# Altium PCB Display_PCB.PcbDoc (part 2 of 3)
Units mil, origin at the board's own origin, x right, y up, seen from the top; angles counter-clockwise.
Board outline 5600 x 4000 mil, 4 copper layers (Top Layer, Plane(Gnd), Plane(PWR), Bottom Layer), stack 23.756 mil thick; 312 components, 321 nets, 831 pads, 288 vias.
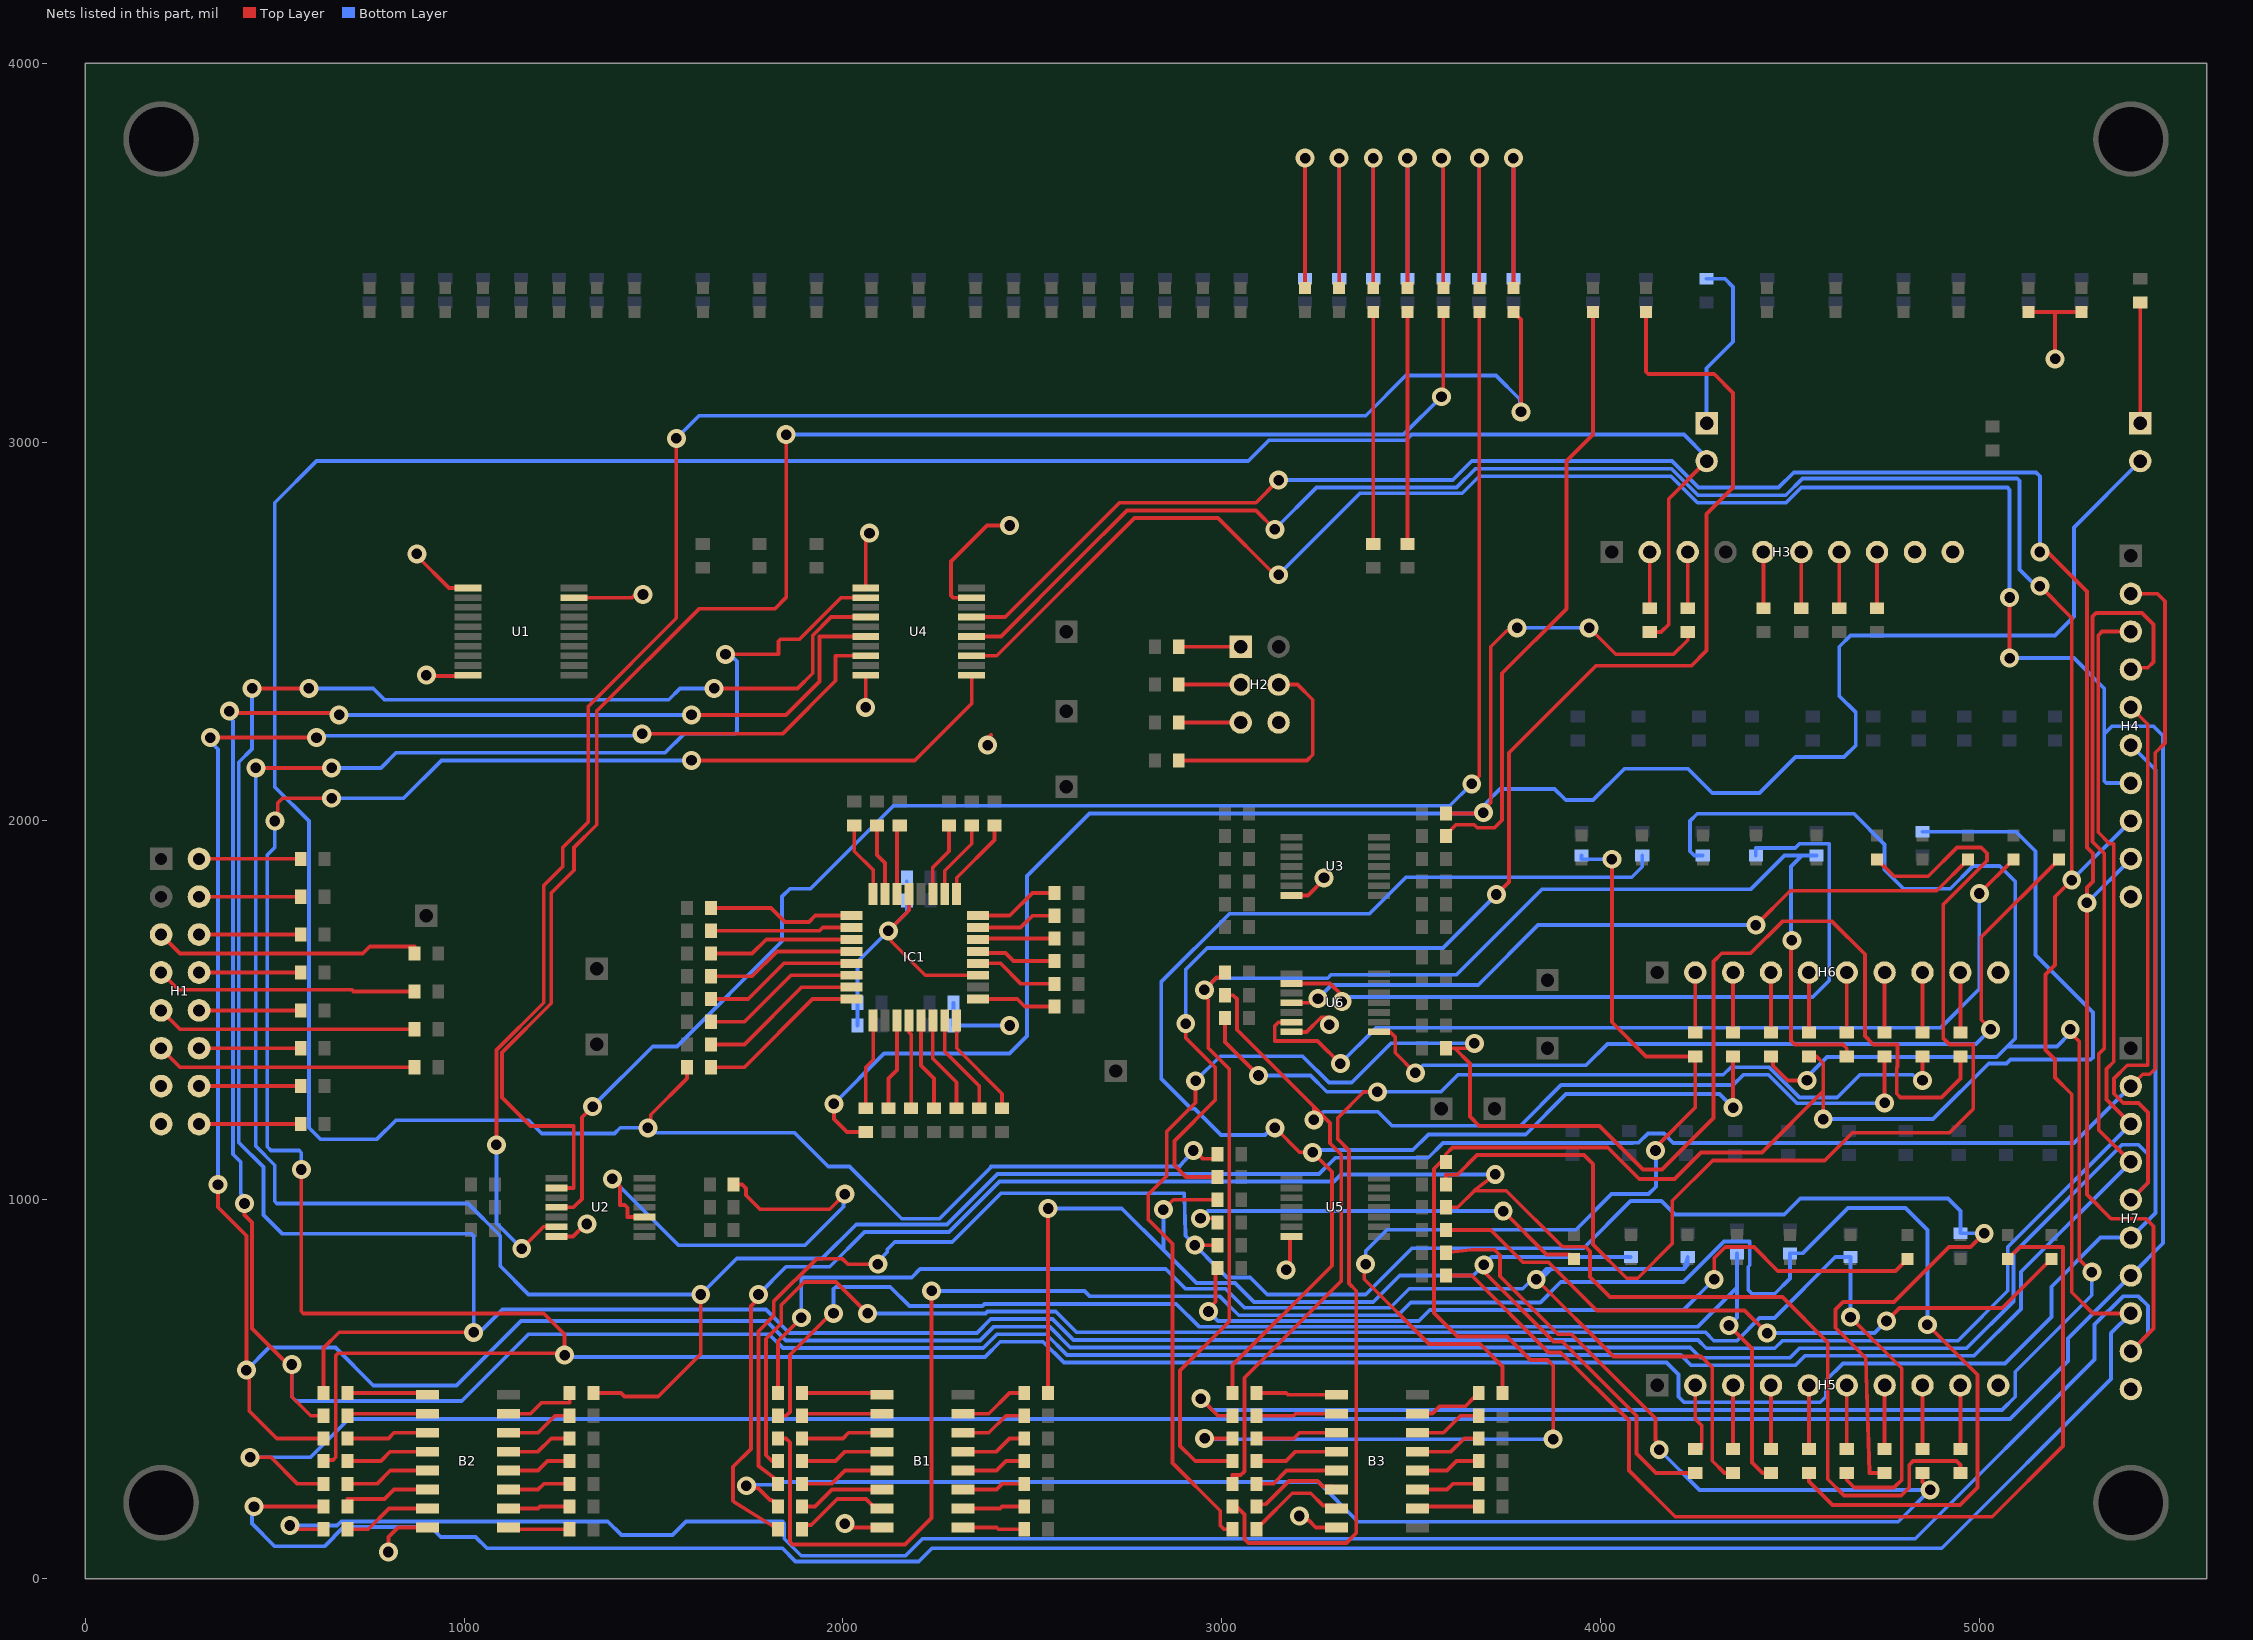
[diagram p4: the nets of this part, all layers, seen from the top]

## Via types
v1: diameter 50, hole 28, Top Layer to Bottom Layer, 288 vias

## Nets (pads, with @x,y where several pads share a name; then routed paths per layer and width w, separated by ;. In a path a pad name is that pad's centre, name@x,y a point inside that pad or via, vN(x,y) a via of type N, cw(c..) or ccw(c..) an arc to the next point about the centre after c; other vN are vias at no path point) (continued)
GND: B1.8 B2.8 B3.8 C1.2 C2.2 C3.2 C4.2 C5.2 C6.2 H1.13 H1.15 H2.6 H3.9 H3.10 H4.10 H5.10 H6.10 H7.10 IC1.19 IC1.29 LED27.1 LED28.1 U1.1 U1.10 U1.19 U2.7 U3.7 U4.1 U4.10 U4.19 U5.7 U6.7 | length 3227
  Top Layer w10: v1(800,70) 800,110 825,135 B2.8@903.23,135 ; v1(875,2705) 875,2700.16 960,2615.16 U1.1@1010.24,2615.16 ; v1(900,2385) 902.58,2382.42 1007.82,2382.42 U1.10@1010.24,2384.84 ; U2.7@1244.33,903.23 1286.91,903.23 1319.68,936 v1(1324.08,936) ; U1.19@1289.76,2589.57 1443.57,2589.57 1452,2598 v1(1472,2598) ; v1(2005,145) 2015.82,145 2025.82,135 B1.8@2103.23,135 ; v1(2060,2300) 2060,2384.61 U4.10@2060.24,2384.84 ; U4.1@2060.24,2615.16 2060.24,2750.24 v1(2070,2760) ; IC1.29@2174.25,1806.85 2174.25,1764.25 v1(2120,1710) 2127.65,1702.35 2127.65,1682.35 2217.24,1592.76 IC1.19@2356.85,1592.76 ; U4.19@2339.76,2589.57 2290.86,2589.57 2285,2595.42 2285,2685 2380,2780 v1(2440,2780) ; v1(2382,2200) 2389.65,2207.65 2389.65,2225.65 2391,2227 ; v1(3170,815) 3170,825.82 3180.37,836.2 3180.37,899.37 3184.23,903.23 U5.7@3184.33,903.23 ; U6.7@3184.33,1443.23 3223.91,1443.23 3262.68,1482 3284.08,1482 3304.08,1462 v1(3284.08,1462) ; U3.7@3184.33,1803.23 3227.31,1803.23 3270,1845.92 v1(3270,1850) ; v1(3205,165) 3215.82,165 3227.43,153.39 3229.96,153.39 3248.36,135 B3.8@3303.23,135 ; LED28.1@5130,3343.5 5200,3343.5 ; v1(5200,3220) 5200,3343.5 ; LED27.1@5270,3343.5 5200,3343.5
  Bottom Layer w10: C3.2@2038.5,1460 C4.2@2038.5,1520 2038.5,1628.5 v1(2120,1710) 2168.5,1758.5 C6.2@2168.5,1790 C5.2@2168.5,1840 ; C2.2@2291.5,1520 C1.2@2291.5,1460 v1(2440,1460)
I2C_LED_SDA: LED9.1 R203.2 | length 3763.8
  Top Layer w10: v1(2905,1465) 2905,1427 2983,1349 2983,1263 2875,1155 2875,1091 2906,1060 R203.2@2988.5,1060 ; v1(3725,1806) 3758,1839 3758,2180.06 3987.94,2410 4240,2410 4280,2450 4280,2810 4350,2880 4350,3130 4300,3180 4125.86,3180 4120,3185.86 LED9.1@4120,3343.5
  Bottom Layer w10: v1(2905,1465) 2905,1608.14 2961.86,1665 3584,1665 v1(3725,1806)
I2C_LED_SDC: LED8.1 R191.2 | length 1615.1
  Top Layer w10: R191.2@3591.5,1960 3591.5,1962.95 3618.54,1990 3666.57,1990 3674.53,1982.04 3720.03,1982.04 3740,2002 3740,2390 3910,2560 3910,2950 3980,3020 LED8.1@3980,3343.5
I2C_SDA: J2.2 R40.1 R46.1 R202.1 | length 8968.5
  Top Layer w10: v1(1484.71,1190) 1492.36,1197.65 1492.36,1224.36 1588.5,1320.5 R40.1@1588.5,1350 ; v1(2925,1130) 2928.86,1130 2950.86,1108 2977.76,1108 2988.5,1118.75 R202.1@2988.5,1120 ; R46.1@4130,2498.5 4160,2498.5 4180,2518.5 4180,2850 J2.2@4280,2950
  Bottom Layer w10: v1(1484.71,1190) v1@1484.71,1177 ; v1(2925,1130) 2891.53,1091.19 2891.27,1090.93 2888.34,1088 2390,1088 2390,1085 2255,950 2155,950 2017,1088 1961.27,1088 1872.27,1177 v1@1484.71,1177 ; J2.2@4280,2950 4280,2960 4220,3020 3501.21,3020 3486.21,3005 3125,3005 3070,2950 610,2950 500,2840 500,2090 590,2000 590,1190 620,1160 770,1160 820,1210 1170,1210 1205,1175 1397.14,1175 1412.14,1190 1471.71,1190 v1@1484.71,1177
I2C_SDC: J1.2 R42.1 R47.1 R190.1 | length 6144
  Top Layer w10: v1(1976,1253.27) 1976,1213.27 2010.77,1178.5 R42.1@2060,1178.5 ; R190.1@3591.5,2020 3688.49,2020 v1(3690.52,2022.04) 3690.52,2028.41 3710,2047.89 3710,2460 3752.35,2502.35 3772.35,2502.35 v1(3780,2510) ; v1@3689,2020 v1@3702,2020 ; v1(3970,2510) 4040,2440 4193,2440 4230,2477 R47.1@4230,2498.5
  Bottom Layer w10: v1(1976,1253.27) 2108.73,1386 2440,1386 2486,1432 2486,1854.98 2651.02,2020 3688.49,2020 3698.18,2029.69 3698.18,2048.18 3734.67,2084.67 3878.4,2084.67 3908.07,2055 3980,2055 4063,2138 4231,2138 4295,2074 4420,2074 4515,2169 4643,2169 4674,2200 4674,2286 4630,2330 4630,2460 4660,2490 5200,2490 5250,2540 5250,2775 J1.2@5425,2950 ; v1(3780,2510) v1(3970,2510)
Invert_Read: R165.1 U2.10 | length 1277
  Top Layer w10: v1(1391,1055) 1411,1035 1411,986 1424,986 1431,979 1431,954.41 U2.10@1475.67,954.41 ; R165.1@1711.5,1040 1734,1040 1744,1030 1744,1012 1781,975 1965,975 v1(2005,1015)
  Bottom Layer w10: v1(1391,1055) 1566,880 1900,880 2001.72,981.72 2001.72,1011.72 v1(2005,1015)
LCD1_CnD: R52.1 R53.2 R174.1 R204.1 | length 3291.9
  Top Layer w10: R53.2@2541.5,490 v1(2541.5,977) ; v1(2846,974) 2872,1000 R204.1@2988.5,1000 ; v1(3692,828) 3692,810 3877.12,624.88 3900.12,624.88 4095,430 4095,330 4146.5,278.5 R52.1@4250,278.5
  Bottom Layer w10: v1(2541.5,977) 2736,977 2846,867 ; v1(2846,974) 2846,867 ; R174.1@4080,848.5 3712.5,848.5 v1(3692,828) 3664,800 3470,800 3400,730 3085,730 3035,780 2933,780 2846,867
LCD1_Cntrl_Extra: LED38.1 R211.2 | length 1792.2
  Top Layer w10: R211.2@3591.5,920 3710,920 3795,835 3863,835 3990,708 4380,708 v1(4440,648) ; v1(4755,680) 4789,714 5060.5,714 LED38.1@5190,843.5
  Bottom Layer w10: v1(4440,648) 4723,648 v1(4755,680)
LCD1_Cntrl_FS: LED37.1 R209.2 | length 2732.2
  Top Layer w10: R209.2@3591.5,800 3660,800 3863,597 3895,597 4075,417 4075,285 4197,163 5034,163 5221,350 5221,875 5106.5,875 LED37.1@5075,843.5
LCD1_Extra: R77.1 R79.2 R210.1 | length 4919
  Top Layer w10: v1(1777,750) 1777,739.18 1757,719.18 1757,342 1710,295 1710,205.38 1713.74,201.64 1816.88,137.26 1817.76,137.26 R79.2@1828.5,130 ; R210.1@3591.5,980 3623,980 3667,1024 ; v1(3722,1067) 3667,1024 ; R77.1@4950,278.5 4950,300 4940,310 4825,310 4815,300 4815,240 4794,219 4643,219 4600,262 4600,623.04 4480,743.04 4024.96,743.04 3972,796 3972,863.75 3960,875.75 3899.25,875.75 3751,1024 3667,1024
  Bottom Layer w10: v1(1777,750) 1850,823 1965,823 2057,915 2280,915 2413,1048 3296,1048 3315,1067 v1(3722,1067)
LCD1_FS: R74.1 R76.2 R208.1 | length 4985.1
  Top Layer w10: v1(1745,245) 1751.28,238.72 1775.28,238.72 1807,207 1811.5,207 1814.8,203.7 1817.76,203.7 1828.5,192.95 R76.2@1828.5,190 ; R208.1@3591.5,860 3660,868 3720,868 3734.35,853.65 3734.35,798.18 3887.65,644.88 3923.12,644.88 4145,423 4145,365.86 4147.35,363.51 4147.35,347.65 v1(4155,340) ; R74.1@4850,278.5 4850,254 v1(4870,234)
  Bottom Layer w10: v1(1745,245) 1747.65,247.65 1814.65,247.65 1822,255 3255,255 3360,150 4786,150 v1(4870,234) 4261,234 v1(4155,340)
LCD1_Instruction: LED29.1 R205.2 | length 1101.8
  Top Layer w10: v1(2944,951) 2988.5,951 R205.2@2988.5,940 ; v1(3743.12,970) 3857.37,855.75 3917.76,855.75 LED29.1@3930,843.5
  Bottom Layer w10: v1(2944,951) 2963,970 v1(3743.12,970)
LCD1_Mid: R70.1 R73.2 R187.1 R206.1 | length 5277.6
  Top Layer w10: R73.2@1828.5,250 1828.5,257 1777,297 1777,653 1817,693 1817,731 1930,844 1998.59,844 2012.59,830 v1(2092,830) ; v1(2929,880) R206.1@2988.5,880 ; R70.1@4750,278.5 4710,278.5 4700,582 4620,662 4620,710 4640,730 4775,730 4920,875 4976.5,875 v1(5013,911.5)
  Bottom Layer w10: v1(2092,830) 2092,836.93 2116.82,861.75 2116.82,868.82 2136.5,888.5 2288.5,888.5 2417,1017 2901,1017 2904,905 3014,795 3075,795 3120,750 3380,750 3502,872 3954.76,872 4079.5,996.75 4160.5,996.75 4196.24,961 4485,961 4527,1003 4917,1003 4950,970 R187.1@4950,911.5 v1(5013,911.5)
LCD1_Mid_Left: LED35.1 R207.2 | length 2132.8
  Top Layer w10: v1(2965,705) 2965,712.35 2983.5,730.86 2983.5,815 R207.2@2988.5,820 ; v1(4300,790) 4300,846 4329,875 4405,875 4468,812 4778.5,812 LED35.1@4810,843.5
  Bottom Layer w10: v1(2965,705) 2990,680 3520,680 3549.07,709.07 4219.07,709.07 v1(4300,790)
LCD1_nCE: R66.1 R69.2 R182.1 | length 4283.9
  Top Layer w10: R69.2@1828.5,310 1812.67,310 1797,325.67 1797,633 1837,673 1837,722 1898,783 1982,783 v1(2065,700) ; R66.1@4650,278.5 4650,260 4670,240 4775,240 4795,260 4795,555 v1(4660,690)
  Bottom Layer w10: v1(2065,700) 2065.63,699.37 2376.23,699.37 2381.86,705 2561.58,705 2616.58,650 4277,650 4299,628 4360,628 4420,688 4459,688 4619.5,848.5 R182.1@4660,848.5 v1(4660,690)
LCD1_nRD: R54.1 R57.2 R175.1 | length 3748.2
  Top Layer w10: R57.2@1828.5,490 1828.5,626.5 1890,688 v1(1890,688.53) ; v1(3830.33,790) 4034.33,586 4266,586 4295,557 4295,311 4327.5,278.5 R54.1@4350,278.5
  Bottom Layer w10: v1(1890,688.53) 1890,789.14 1895.86,795 2181.78,795 2203.78,817 2852.33,817 2904.33,765 3010,765 3060,715 3445,715 3495,765 3794.51,765 3819.51,790 v1(3830.33,790) 3857.33,817 3869.74,817 ; v1@3832.11,779.37 3869.74,817 ; 3869.74,817 4220,817 ; 4220,817 4230,827 R175.1@4230,848.5 4220,817
LCD1_nWR: R58.1 R61.2 R176.1 | length 3536.2
  Top Layer w10: R61.2@1828.5,430 1850,430 1860,440 1860,591 1969,700 v1(1975,700) ; v1(4339,668) 4400,607 4400,306 4427.5,278.5 R58.1@4450,278.5
  Bottom Layer w10: v1@1975,700.8 1975,764.14 1980.86,770 2125,770 2175.63,719.37 2367.95,719.37 2373.58,725 2880,725 2940,665 4257,665 4360,768 ; v1(4339,668) 4360,689 4360,768 ; R176.1@4360,858.5 4360,768
LCD1_Reset: R62.1 R65.2 R179.1 | length 5581.2
  Top Layer w10: R65.2@1828.5,370 1850,370 1860,360 1860,97 1867,90 2164,90 2234,160 v1(2234,759.37) ; R62.1@4550,278.5 4550,256 4612,194 4949,194 4995,240 4995,538 v1(4863,670)
  Bottom Layer w10: v1(2234,759.37) 2637.41,759.37 2651.78,745 2995,745 3045,695 3465,695 3499.07,729.07 3841.07,729.07 3895,783 4219,783 4326,890 4393.7,890 4393.7,827 4390,823.3 4390,762 4400,752 4460,752 4500,792 R179.1@4500,858.5 4533.5,858.5 4653,978 4805,978 4863,920 v1(4863,670)
LCD2_DnI: R92.1 R111.2 R218.1 R219.1 | length 3965.7
  Top Layer w10: v1(2954,1554) v1@2964.57,1564.57 ; R219.1@3008.5,1600 3008.5,1597.17 2997.76,1586.42 2986.42,1586.42 2961.65,1561.65 2961.65,1531.05 2964.57,1528.14 2964.57,1400.43 3020,1345 3020,679 2890,549 2890,350 2930,310 R111.2@3028.5,310 ; v1(4505,1685) 4503,1683 4503,1420 4513,1410 4640,1410 4650,1400 R92.1@4650,1378.5
  Bottom Layer w10: v1(2954,1554) 2985,1585 3279.72,1585 3288.72,1594 3620,1594 3846,1820 4397.5,1820 4486,1908.5 4531.5,1908.5 ; v1(4505,1685) 4503,1687 4503,1880 4531.5,1908.5 ; R218.1@4570,1908.5 4531.5,1908.5
LCD2_DnI_Instruction: R217.1 U6.2 | length 2052.8
  Top Layer w10: U6.2@3184.33,1571.18 3286,1571.18 3317.18,1540 v1(3317.18,1523)
  Bottom Layer w10: v1(3317.18,1523) 3329.18,1535 4560,1535 4604,1579 4604,1940 4525,1940 4514,1929 4410,1929 R217.1@4410,1908.5
LCD2_Enable: R95.1 R113.2 R220.1 | length 3337.2
  Top Layer w10: R220.1@3008.5,1540 3030,1540 3040,1530 3040,1448.85 3243,1245.85 ; R113.2@3028.5,250 3028.5,273 3050,273 3060,283 3060,530 3315.67,785.67 3315.67,1119.33 3286,1149 3286,1202.85 3243,1245.85 ; v1(3243,1211) 3243,1245.85 ; v1(4750,1256) R95.1@4750,1378.5
  Bottom Layer w10: v1(3243,1211) 3247.36,1211 3268.86,1232.5 3412.5,1232.5 3449.53,1195.47 3788.47,1195.47 3896,1303 4350,1303 4377,1330 4443.79,1330 4518.79,1255 4749,1255 v1(4750,1256)
LCD2_Enable_LEDG: LED54.1 U6.4 | length 1942.5
  Top Layer w10: U6.4@3184.33,1520 3243,1520 v1(3254,1531) ; v1(4410,1725) 4501,1816 4887.5,1816 LED54.1@4970,1898.5
  Bottom Layer w10: v1(3254,1531) 3290,1567 3677,1567 3835,1725 v1(4410,1725)
LCD2_Extra_1: R98.1 R114.2 R222.1 | length 3779.1
  Top Layer w10: R222.1@3008.5,1480 3008.5,1416.5 v1(3097,1328) ; R114.2@3028.5,190 3039,190 3060,169 3060,104 3070,94 3329,94 3355,120 3355,760 3335.67,779.33 3335.67,1130.33 3306,1160 3306,1216 3375,1285 v1(3411,1285) ; v1(4850,1315) R98.1@4850,1378.5
  Bottom Layer w10: v1(3097,1328) 3234.37,1328 3277.37,1285 v1(3411,1285) 3579,1285 3624,1330 4324,1330 4344,1350 4445,1350 4525,1270 4625,1270 4685,1330 4824.18,1330 4839.18,1315 v1(4850,1315)
LCD2_Extra_1_LEDG: LED55.1 U6.6 | length 2434
  Top Layer w10: U6.6@3184.33,1468.82 3150,1468.82 3140,1458.82 3140,1419.37 3253,1419.37 v1(3313,1359.37) ; v1(5000,1808.5) LED55.1@5090,1898.5
  Bottom Layer w10: v1(3313,1359.37) 3407.49,1453.86 4897.86,1453.86 5000,1556 v1(5000,1808.5)
LCD2_Extra_2: R101.1 R115.2 R223.1 | length 4796.8
  Top Layer w10: v1(2931,1314) 2931,1256 2855,1180 2855,1063 2806,1014 2806,948 2870,884 2870,305 2996,179 2996,140 3006,130 R115.2@3028.5,130 ; R223.1@3591.5,1400 3615,1400 ; v1(3667,1413) 3654,1400 3615,1400 ; R101.1@4950,1378.5 4950,1320 4900,1270 4792,1270 4782,1280 4782,1350 4784,1352 4784,1410 4720,1410 4698,1432 4698,1648 4611,1735 4480,1735 4396,1651 4320,1651 4298,1629 4298,1216 4162,1080 4112,1080 3997,1195 3680,1195 3655,1220 3655,1360 3615,1400
  Bottom Layer w10: v1(2931,1314) 2996,1379 3213.37,1379 3283,1309.37 3343,1309.37 3446.63,1413 v1(3667,1413)
LCD2_Extra_2_LEDG: LED56.1 U6.8 | length 2275.2
  Top Layer w10: U6.8@3415.67,1443.23 3444.77,1443.23 3458,1430 3458,1388 v1(3511,1335) ; v1(5030,1450) 5005,1475 5005,1693.5 LED56.1@5210,1898.5
  Bottom Layer w10: v1(3511,1335) 3531,1355 3962,1355 4018,1411 4991,1411 v1(5030,1450)
LCD2_nCS1: R81.1 R100.2 R214.1 | length 2609.4
  Top Layer w10: v1(3380,830) 3376,826 3376,789.97 3547.01,618.97 3682.53,618.97 3741.5,560 R100.2@3741.5,490 ; v1(4030,1899) 4030,1468.5 4120,1378.5 R81.1@4250,1378.5 4250,1243.28 4145,1138.28 v1(4145,1130)
  Bottom Layer w10: v1(3380,830) 3380,865 3436,921 3935,921 4029,1015 4127,1015 4146.29,1034.29 4146.29,1128.71 v1(4145,1130) ; R214.1@3950,1908.5 3950,1899 v1(4030,1899)
LCD2_nCS2: R83.1 R104.2 R215.1 | length 4272.4
  Top Layer w10: R104.2@3028.5,490 3028.5,563.5 3291,826 3291,1074 v1(3240,1125) 3232.15,1117.15 3224.17,1125.14 3205.86,1125.14 3141,1190 v1(3140,1190) ; v1(4350,1243) R83.1@4350,1378.5
  Bottom Layer w10: v1(3140,1190) 3133.14,1190 3114.14,1171 2998.21,1171 2929.21,1240 2919.79,1240 2840,1319.79 2840,1574.67 3020.33,1755 3390,1755 3486.32,1851.32 4082.32,1851.32 4110,1879 R215.1@4110,1908.5 ; v1(3240,1125) 3246,1131 3504.45,1131 3545.94,1172.49 3802.49,1172.49 3909,1279 4314,1279 v1(4350,1243)
LCD2_Reset: R86.1 R106.2 R216.1 | length 5883.2
  Top Layer w10: v1(2945,475) 2990,430 R106.2@3028.5,430 ; R86.1@4450,1378.5 4455.39,1373.12 4455.39,1353.61 4494,1315 v1(4545,1315) ; v1(5240,1450) 5240,1441.43 5264,1417.43 5264,842 v1(5297,809)
  Bottom Layer w10: v1(2945,475) 2975,445 5060,445 5095,480 5095,546 5297,748 v1(5297,809) ; R216.1@4270,1908.5 4247.5,1908.5 4236,1920 4236,2000 4255.08,2019.08 4668.92,2019.08 4750,1938 4750,1871 4800,1821 4923,1821 4983,1881 5054,1881 5095,1840 5095,1426 5046,1377 ; v1(4545,1315) 4545,1324 4598,1377 5046,1377 ; v1(5240,1450) 5240,1440 5204.67,1404.67 5073.67,1404.67 5046,1377
LCD2_RnW: R89.1 R109.2 R212.1 R221.1 | length 5034.1
  Top Layer w10: v1(2955,370) R109.2@3028.5,370 ; v1(3875,368) 3875,562 3860,577 3815,577 3753,639 3622,639 3560,701 3560,1082 3578,1100 R212.1@3591.5,1100 3591.5,1120 3609.5,1138 4019,1138 4102,1055 4195,1055 4265,1125 4426,1125 4588,1287 ; R89.1@4550,1378.5 4570,1378.5 4588,1360.5 4588,1287 ; v1(4588,1213) 4588,1287
  Bottom Layer w10: v1(2955,370) 2957,368 v1(3875,368) ; v1(4588,1213) 4878,1213 5025,1360 5072,1360 5082,1370 5294.14,1370 5300,1375.86 5300,1494 5148,1646 5148,1920 5096.5,1971.5 R221.1@4850,1971.5
LCD2_RnW_Read: LED52.1 R213.2 | length 3088.6
  Top Layer w10: R213.2@3591.5,1040 3591.5,1066 3622,1066 3674,1118 3956,1118 3980,1094 3980,882 4069,793 4098,793 4189.5,884.5 4189.5,997.5 4296,1104 4592,1104 4665,1177 4921,1177 4984,1240 4984,1410 4921,1410 4905,1426 4905,1780 5020,1895 5020,1915 5005,1930 4941,1930 4865,1854 4774.5,1854 LED52.1@4730,1898.5
LCD_D0: H4.2 H7.2 R82.2 U4.2 | length 10364.7
  Top Layer w10: v1(450,2140) v1(650,2140) ; R82.2@1341.5,490 1413.86,490 1423.53,480.34 1512.34,480.34 1624.51,592.51 v1(1624.51,750) ; v1(1690,2440) 1830,2440 1830,2474.14 1835.86,2480 1886,2480 1995.57,2589.57 U4.2@2060.24,2589.57 ; H7.2@5400,1300 5431.56,1331.56 5450,1331.56 5464.53,1346.08 5464.53,2180 5490,2205.47 5490,2580 5470,2600 H4.2@5400,2600
  Bottom Layer w10: v1(450,2140) 450,1141.21 500,1091.21 500,995.86 505.86,990 1010,990 1095,905 1095,825 1170,750 v1(1624.51,750) 1719.51,845 1945,845 2035,935 2275,935 2408,1068 3257,1068 3300,1111 3545.27,1111 3584.27,1150 4085,1150 4085.75,1150.75 4100.66,1150.75 4124.91,1175 4167.17,1175 4192.17,1150 5250,1150 H7.2@5400,1300 ; v1(650,2140) 780,2140 820,2180 1530,2180 1580,2230 1714.14,2230 1720,2235.86 1720,2421.72 1714.14,2427.57 1713.25,2427.57 1700.82,2440 v1(1690,2440)
LCD_D1: H4.3 H7.3 R85.2 U4.4 | length 10801.1
  Top Layer w10: v1(440,2350) v1(590,2350) ; R85.2@628.5,490 628.5,608.5 670,650 v1(1025,650) ; v1(1660,2350) 1880,2350 1920,2390 1920,2490 1968.39,2538.39 U4.4@2060.24,2538.39 ; H7.3@5400,1200 5335.47,1264.53 5335.47,1345 5355,1364.53 5355,1940 5344,1940 5314,1970 5314,2490 5324,2500 H4.3@5400,2500
  Bottom Layer w10: v1(440,2350) 440,2190 405,2155 405,1151.21 470,1086.21 470,960 520,910 1019.14,910 1025,904.14 v1(1025,650) 1032.65,657.65 1048.51,657.65 1100.86,710 1796.65,710 1858.12,648.53 2353.68,648.53 2390.15,685 2553.3,685 2608.3,630 4257,630 4279,608 4460,608 4480,628 4943.43,628 5075,759.57 5075,875 H7.3@5400,1200 ; v1(590,2350) 760,2350 790,2320 1540,2320 1570,2350 v1(1660,2350)
LCD_D2: H4.4 H7.4 R88.2 U4.6 | length 11028.7
  Top Layer w10: v1(380,2290) 385,2285 665,2285 v1(670,2280) ; v1(420,990) 420,960 440,940 440,660 535,565 v1(545,565) 545,480 595,430 R88.2@628.5,430 ; v1(1600,2280) 1850,2280 1938.42,2368.42 1938.42,2487.2 U4.6@2060.24,2487.2 ; H7.4@5400,1100 5315.47,1184.53 5315.47,1384.53 5330,1399.06 5330,1914 5299,1945 5299,2540 5308.39,2549.39 5429.39,2549.39 5460,2518.79 5460,2420 5444.53,2404.53 5404.53,2404.53 H4.4@5400,2400
  Bottom Layer w10: v1(380,2290) 387.65,2282.35 387.65,2266.49 390,2264.14 390,1120 410,1100 410,1015.86 412.35,1013.51 412.35,997.65 v1(420,990) ; v1(545,565) 545,480 556.5,468.5 993.5,468.5 1170,645 1805.08,645 1841.55,608.53 2370.25,608.53 2406.72,645 2536.73,645 2591.73,590 4212,590 4239,563 4515,563 4540,588 4986.24,588 5110,711.76 5110,810 H7.4@5400,1100 ; v1(670,2280) v1(1600,2280)
LCD_D3: H4.5 H7.5 R91.2 U4.8 | length 11053.3
  Top Layer w10: v1(330,2220) v1(610,2220) ; v1(350,1040) 350,980 425,905 v1(425,550) 432.65,542.35 432.65,442.35 505,370 R91.2@628.5,370 ; v1(1470,2230) 1840,2230 1980,2370 1980,2436.02 U4.8@2060.24,2436.02 ; H7.5@5400,1000 5445,1045 5445,1230.47 5420,1255.47 5380,1255.47 5355.47,1280 5355.47,1320 5390.47,1355 5444.53,1355 5444.53,2255.47 H4.5@5400,2300
  Bottom Layer w10: v1(330,2220) 330,2209.18 350,2189.18 v1(350,1040) ; v1(425,550) 485,610 660,610 760,510 980,510 1150,680 1798.36,680 1849.83,628.53 2361.96,628.53 2398.43,665 2545.01,665 2600.01,610 4237,610 4264,583 4500,583 4525,608 4966.24,608 5090,731.76 5090,858 5377,1145 5420,1145 5445,1120 5445,1045 H7.5@5400,1000 ; v1(610,2220) 615,2225 1465,2225 v1(1470,2230)
LCD_D4: H4.6 H7.6 R94.2 U4.11 | length 10998.3
  Top Layer w10: v1(500,2000) 507.65,2007.65 507.65,2047.65 520,2060 v1(650,2060) ; v1(570,1080) 570,705.86 575.86,700 1210,700 1265,645 v1(1265,590) 1260,595 666.61,595 660.75,589.14 660.75,320.31 653.39,312.96 631.46,312.96 R94.2@628.5,310 ; v1(1600,2160) 2189.53,2160 2339.76,2310.24 U4.11@2339.76,2384.84
  Bottom Layer w10: v1(500,2000) 500,1930 480,1910 480,1140 490,1130 564.14,1130 570,1124.14 v1(570,1080) ; v1(650,2060) 840,2060 940,2160 v1(1600,2160) ; v1(1265,590) 1270,585 2375,585 2415,625 2528.44,625 2583.44,570 4174,570 4205.47,538.53 4205.47,480 4220,465.47 4580,465.47 4594.53,480 4594.53,522.53 4640,568 5068,568 5190.18,690.18 5190.18,770.13 5320.05,900 H7.6@5400,900 5465,965 5465,2135 H4.6@5400,2200
LCD_D5: H4.7 H7.7 R97.2 U4.13 | length 11208
  Top Layer w10: v1(435,320) 490,320 560,250 R97.2@628.5,250 ; U4.13@2339.76,2436.02 2406.02,2436.02 2770,2800 2990,2800 3140,2650 v1(3150,2650) ; v1(5080,2430) v1(5080,2590)
  Bottom Layer w10: v1(435,320) 594.25,320 695.25,421 5081,421 5234,574 5234,634 H7.7@5400,800 5485,885 5485,2225 5460,2250 5350,2250 5330,2230 ; v1(3150,2650) 3365,2865 3635,2865 3680,2910 4186.36,2910 4256.36,2840 4490,2840 4530,2880 5074.14,2880 5080,2874.14 v1(5080,2590) ; v1(5080,2430) 5250,2430 5330,2350 5330,2230 ; H4.7@5400,2100 5335.86,2100 5330,2105.86 5330,2230
LCD_D6: H4.8 H7.8 R99.2 U4.15 | length 11319.2
  Top Layer w10: v1(445,190) R99.2@628.5,190 ; U4.15@2339.76,2487.2 2417.2,2487.2 2620,2690 2750,2820 3090,2820 v1(3140,2770) ; v1(5160,2620) 5244,2536 v1(5244,1844) 5200,1800 5200,1620 5175,1595 5175,1395 5200,1370 5200,1322.74 5244,1278.74 5244,756 5300,700 H7.8@5400,700
  Bottom Layer w10: v1(445,190) 440,185 440,145 500,85 630.86,85 681.72,135.86 912.49,135.86 938.35,110 1030,110 1060,80 1840,80 1875,45 2200,45 2235,80 4901,80 5347.85,526.85 5347.85,647.85 H7.8@5400,700 ; v1(3140,2770) 3250,2880 3620,2880 3670,2930 4187.57,2930 4257.57,2860 4488.79,2860 4532.81,2904.02 5100.12,2904.02 5105.98,2898.16 5105.98,2664.02 5150,2620 v1(5160,2620) ; v1(5244,1844) H4.8@5400,2000
LCD_D7: H4.9 H7.9 R102.2 U4.17 | length 11322.5
  Top Layer w10: v1(540,140) 550.82,140 560.82,130 R102.2@628.5,130 ; U4.17@2339.76,2538.39 2428.39,2538.39 2730,2840 3090,2840 v1(3150,2900) ; v1(5160,2710) 5180,2710 5284,2606 5284,1930 5300,1914 5300,1840 5284,1824 v1(5284,1784) 5284,1014 5348,950 5440,950 5460,930 5460,660 H7.9@5400,600
  Bottom Layer w10: v1(540,140) 664.64,140 675.5,150.86 1379.14,150.86 1415,115 1550,115 1585.86,150.86 1840,150.86 1845,145.86 1845,105 1890,60 2165,60 2210,105 4831,105 5304.41,578.41 5304.41,670.41 5379,745 5420,745 5445,720 5445,645 H7.9@5400,600 ; v1(3150,2900) 3610,2900 3660,2950 4188.79,2950 4258.79,2880 4470,2880 4510,2920 5150,2920 5160,2910 v1(5160,2710) ; v1(5284,1784) H4.9@5400,1900
LED1_Ser_Data_0: LED5.1 U2.2 | length 4603.4
  Top Layer w10: U2.2@1244.33,1031.18 1289,1031.18 1289,1195 1175,1195 1100,1270 1100,1388.79 1230,1518.79 1230,1810 1290,1870 1290,1930 1350,1990 1350,2290 1620,2560 1820,2560 1850,2590 v1(1850,3020) ; v1(3580,3120) 3585,3125 LED5.1@3585,3343.5
  Bottom Layer w10: v1(1850,3020) 3480,3020 v1(3580,3120)
LED1_Ser_Data_1: LED6.1 U2.4 | length 4328.2
  Top Layer w10: U2.4@1244.33,980 1289,980 1311,1002 1311,1218 v1(1339,1246) ; v1(3660,2098) 3680,2118 LED6.1@3680,3343.5
  Bottom Layer w10: v1(1339,1246) 1497.98,1404.98 1561.98,1404.98 1839.25,1682.25 1839.25,1800.25 1860,1821 1914,1821 2133,2040 3602,2040 v1(3660,2098)
LED1_Ser_Data_2: LED7.1 U2.6 | length 5107.6
  Top Layer w10: v1(1085,1145) 1085,1395 1210,1520 1210,1830 1260,1880 1260,1930 1327.5,1997.5 1327.5,2302.5 1560,2535 v1(1560,3010) ; v1(1152,871) 1209.82,928.82 U2.6@1244.33,928.82 ; LED7.1@3770,3343.5 3790,3323.5 v1(3790,3080)
  Bottom Layer w10: v1(1085,1145) 1085,938 v1(1152,871) ; v1(1560,3010) 1620,3070 3380,3070 3485.86,3175.86 3724.14,3175.86 3786.72,3113.28 3786.72,3083.28 v1(3790,3080)
NetB1_1: B1.1 R57.1 | length 213.8
  Top Layer w10: R57.1@1891.5,490 2098.23,490 B1.1@2103.23,485
NetB1_2: B1.2 R61.1 | length 213.8
  Top Layer w10: R61.1@1891.5,430 1896.5,435 B1.2@2103.23,435
NetB1_3: B1.3 R65.1 | length 217.9
  Top Layer w10: R65.1@1891.5,370 2000,370 2015,385 B1.3@2103.23,385
NetB1_4: B1.4 R69.1 | length 222.1
  Top Layer w10: R69.1@1891.5,310 1980,310 2005,335 B1.4@2103.23,335
NetB1_5: B1.5 R73.1 | length 226.2
  Top Layer w10: R73.1@1891.5,250 1970,250 2005,285 B1.5@2103.23,285
NetB1_6: B1.6 R76.1 | length 230.4
  Top Layer w10: R76.1@1891.5,190 1926.12,190 1971.12,235 B1.6@2103.23,235
NetB1_7: B1.7 R79.1 | length 255.4
  Top Layer w10: R79.1@1891.5,130 1891.5,130.33 1902.24,141.08 1916.08,141.08 1985,210 2061,210 2086,185 B1.7@2103.23,185
NetB1_9: B1.9 R80.1 | length 163.8
  Top Layer w10: B1.9@2316.77,135 2405,135 2410,130 R80.1@2478.5,130
NetB1_10: B1.10 R72.2 | length 163.8
  Top Layer w10: B1.10@2316.77,185 2415,185 2420,190 R72.2@2478.5,190
NetB1_11: B1.11 R68.2 | length 167.9
  Top Layer w10: B1.11@2316.77,235 2405,235 2420,250 R68.2@2478.5,250
NetB1_12: B1.12 R64.2 | length 172.1
  Top Layer w10: B1.12@2316.77,285 2405,285 2430,310 R64.2@2478.5,310
NetB1_13: B1.13 R60.2 | length 176.2
  Top Layer w10: B1.13@2316.77,335 2405,335 2440,370 R60.2@2478.5,370
NetB1_14: B1.14 R56.2 | length 180.4
  Top Layer w10: B1.14@2316.77,385 2385,385 2430,430 R56.2@2478.5,430
NetB1_15: B1.15 R53.1 | length 184.5
  Top Layer w10: B1.15@2316.77,435 2385,435 2440,490 R53.1@2478.5,490
NetB2_1: B2.1 R85.1 | length 213.8
  Top Layer w10: R85.1@691.5,490 898.23,490 B2.1@903.23,485
NetB2_2: B2.2 R88.1 | length 213.8
  Top Layer w10: R88.1@691.5,430 696.5,435 B2.2@903.23,435
NetB2_3: B2.3 R91.1 | length 217.9
  Top Layer w10: R91.1@691.5,370 800,370 815,385 B2.3@903.23,385
NetB2_4: B2.4 R94.1 | length 222.1
  Top Layer w10: R94.1@691.5,310 780,310 805,335 B2.4@903.23,335
NetB2_5: B2.5 R97.1 | length 226.2
  Top Layer w10: R97.1@691.5,250 770,250 805,285 B2.5@903.23,285
NetB2_6: B2.6 R99.1 | length 242.1
  Top Layer w10: R99.1@691.5,190 691.5,210 790,210 815,235 B2.6@903.23,235
NetB2_7: B2.7 R102.1 | length 234.5
  Top Layer w10: R102.1@691.5,130 746.76,130 801.76,185 B2.7@903.23,185
NetB2_9: B2.9 R107.1 | length 166.7
  Top Layer w10: B2.9@1116.77,135 1121.77,135 1121.77,130 R107.1@1278.5,130
NetB2_10: B2.10 R96.2 | length 163.8
  Top Layer w10: B2.10@1116.77,185 1195,185 1200,190 R96.2@1278.5,190
NetB2_11: B2.11 R93.2 | length 167.9
  Top Layer w10: B2.11@1116.77,235 1195,235 1210,250 R93.2@1278.5,250
NetB2_12: B2.12 R90.2 | length 172.1
  Top Layer w10: B2.12@1116.77,285 1195,285 1220,310 R90.2@1278.5,310
NetB2_13: B2.13 R87.2 | length 176.2
  Top Layer w10: B2.13@1116.77,335 1195,335 1230,370 R87.2@1278.5,370
NetB2_14: B2.14 R84.2 | length 180.4
  Top Layer w10: B2.14@1116.77,385 1195,385 1240,430 R84.2@1278.5,430
NetB2_15: B2.15 R82.1 | length 199.7
  Top Layer w10: B2.15@1116.77,435 1175,435 1204,464 1278.5,464 R82.1@1278.5,490
NetB3_1: B3.1 R104.1 | length 213.8
  Top Layer w10: R104.1@3091.5,490 3170,490 3175,485 B3.1@3303.23,485
NetB3_2: B3.2 R106.1 | length 213.8
  Top Layer w10: R106.1@3091.5,430 3190,430 3195,435 B3.2@3303.23,435
NetB3_3: B3.3 R109.1 | length 217.9
  Top Layer w10: R109.1@3091.5,370 3190,370 3205,385 B3.3@3303.23,385
NetB3_4: B3.4 R111.1 | length 222.1
  Top Layer w10: R111.1@3091.5,310 3170,310 3195,335 B3.4@3303.23,335
NetB3_5: B3.5 R113.1 | length 226.2
  Top Layer w10: R113.1@3091.5,250 3136.12,250 3171.12,285 B3.5@3303.23,285
NetB3_6: B3.6 R114.1 | length 248.8
  Top Layer w10: R114.1@3091.5,190 3097.88,196.39 3116.39,196.39 3177.2,257.2 3252.8,257.2 3267.2,242.8 3295.43,242.8 B3.6@3303.23,235
NetB3_7: B3.7 R115.1 | length 269.4
  Top Layer w10: R115.1@3091.5,130 3091.5,132.95 3102.24,143.7 3104.87,143.7 3186.17,225 3235,225 3267.2,192.8 3295.43,192.8 B3.7@3303.23,185
NetB3_10: B3.10 R112.2 | length 163.8
  Top Layer w10: B3.10@3516.77,185 3521.77,190 R112.2@3678.5,190
NetB3_11: B3.11 R110.2 | length 167.9
  Top Layer w10: B3.11@3516.77,235 3595,235 3610,250 R110.2@3678.5,250
NetB3_12: B3.12 R108.2 | length 172.1
  Top Layer w10: B3.12@3516.77,285 3595,285 3620,310 R108.2@3678.5,310
NetB3_13: B3.13 R105.2 | length 176.2
  Top Layer w10: B3.13@3516.77,335 3605,335 3640,370 R105.2@3678.5,370
NetB3_14: B3.14 R103.2 | length 180.4
  Top Layer w10: B3.14@3516.77,385 3585,385 3630,430 R103.2@3678.5,430
NetB3_15: B3.15 R100.1 | length 186.2
  Top Layer w10: B3.15@3516.77,435 3517.71,435.93 3555.93,435.93 3575,455 3643.5,455 3664.8,476.3 3667.76,476.3 3678.5,487.05 R100.1@3678.5,490
NetH1_2: H1.2 R1.2 | length 268.5
  Top Layer w10: H1.2@300,1900 R1.2@568.5,1900
NetH1_4: H1.4 R3.2 | length 268.5
  Top Layer w10: H1.4@300,1800 R3.2@568.5,1800
NetH1_5: H1.5 R7.1 | length 715.4
  Top Layer w10: H1.5@200,1700 250,1650 732.24,1650 750.77,1668.52 868.5,1668.52 R7.1@868.5,1650
NetH1_6: H1.6 R6.2 | length 268.5
  Top Layer w10: H1.6@300,1700 R6.2@568.5,1700
NetH1_7: H1.7 R10.1 | length 689.2
  Top Layer w10: H1.7@200,1600 245.32,1554.68 703.32,1554.68 708,1550 R10.1@868.5,1550
NetH1_8: H1.8 R9.2 | length 268.5
  Top Layer w10: H1.8@300,1600 R9.2@568.5,1600
NetH1_9: H1.9 R12.1 | length 689.2
  Top Layer w10: H1.9@200,1500 250,1450 R12.1@868.5,1450
NetH1_10: H1.10 R11.2 | length 268.5
  Top Layer w10: H1.10@300,1500 R11.2@568.5,1500
NetH1_11: H1.11 R14.1 | length 689.2
  Top Layer w10: H1.11@200,1400 250,1350 R14.1@868.5,1350
NetH1_12: H1.12 R13.2 | length 268.5
  Top Layer w10: H1.12@300,1400 R13.2@568.5,1400
NetH1_14: H1.14 R15.2 | length 268.5
  Top Layer w10: H1.14@300,1300 R15.2@568.5,1300
NetH1_16: H1.16 R16.2 | length 268.5
  Top Layer w10: H1.16@300,1200 R16.2@568.5,1200
NetH2_1: H2.1 R2.2 | length 163.5
  Top Layer w10: R2.2@2886.5,2460 H2.1@3050,2460
NetH2_3: H2.3 R4.2 | length 163.5
  Top Layer w10: R4.2@2886.5,2360 H2.3@3050,2360
NetH2_4: H2.4 R5.1 | length 611.3
  Top Layer w10: R5.1@2886.5,2160 3225,2160 3240,2175 3240,2320 3200,2360 H2.4@3150,2360
NetH2_5: H2.5 R8.2 | length 163.5
  Top Layer w10: R8.2@2886.5,2260 H2.5@3050,2260
NetH3_2: H3.2 R46.2 | length 148.5
  Top Layer w10: R46.2@4130,2561.5 H3.2@4130,2710
NetH3_3: H3.3 R47.2 | length 148.5
  Top Layer w10: R47.2@4230,2561.5 H3.3@4230,2710
NetH3_5: H3.5 R48.2 | length 148.5
  Top Layer w10: R48.2@4430,2561.5 H3.5@4430,2710
NetH3_6: H3.6 R49.2 | length 148.5
  Top Layer w10: R49.2@4530,2561.5 H3.6@4530,2710
NetH3_7: H3.7 R50.2 | length 148.5
  Top Layer w10: R50.2@4630,2561.5 H3.7@4630,2710
NetH3_8: H3.8 R51.2 | length 148.5
  Top Layer w10: R51.2@4730,2561.5 H3.8@4730,2710
NetH5_2: H5.2 R52.2 | length 192.6
  Top Layer w10: R52.2@4250,341.5 4267.05,341.5 4267.05,404.29 4250,421.33 H5.2@4250,510
NetH5_3: H5.3 R54.2 | length 168.5
  Top Layer w10: R54.2@4350,341.5 H5.3@4350,510
NetH5_4: H5.4 R58.2 | length 168.5
  Top Layer w10: R58.2@4450,341.5 H5.4@4450,510
NetH5_5: H5.5 R62.2 | length 168.5
  Top Layer w10: R62.2@4550,341.5 H5.5@4550,510
NetH5_6: H5.6 R66.2 | length 168.5
  Top Layer w10: R66.2@4650,341.5 H5.6@4650,510
NetH5_7: H5.7 R70.2 | length 168.5
  Top Layer w10: R70.2@4750,341.5 H5.7@4750,510
NetH5_8: H5.8 R74.2 | length 168.5
  Top Layer w10: R74.2@4850,341.5 H5.8@4850,510
NetH5_9: H5.9 R77.2 | length 168.5
  Top Layer w10: R77.2@4950,341.5 H5.9@4950,510
NetH6_2: H6.2 R81.2 | length 158.5
  Top Layer w10: R81.2@4250,1441.5 H6.2@4250,1600
NetH6_3: H6.3 R83.2 | length 158.5
  Top Layer w10: R83.2@4350,1441.5 H6.3@4350,1600
NetH6_4: H6.4 R86.2 | length 158.5
  Top Layer w10: R86.2@4450,1441.5 H6.4@4450,1600
NetH6_5: H6.5 R89.2 | length 158.5
  Top Layer w10: R89.2@4550,1441.5 H6.5@4550,1600
NetH6_6: H6.6 R92.2 | length 158.5
  Top Layer w10: R92.2@4650,1441.5 H6.6@4650,1600
NetH6_7: H6.7 R95.2 | length 158.5
  Top Layer w10: R95.2@4750,1441.5 H6.7@4750,1600
NetH6_8: H6.8 R98.2 | length 158.5
  Top Layer w10: R98.2@4850,1441.5 H6.8@4850,1600
NetH6_9: H6.9 R101.2 | length 158.5
  Top Layer w10: R101.2@4950,1441.5 H6.9@4950,1600
NetIC1_1: IC1.1 R25.2 | length 393.7
  Top Layer w10: R25.2@1651.5,1770 1810.25,1770 1846.7,1733.55 1910.25,1733.55 1926.93,1750.24 IC1.1@2023.15,1750.24
NetIC1_2: IC1.2 R27.2 | length 375.3
  Top Layer w10: R27.2@1651.5,1710 1937.96,1710 1946.7,1718.74 IC1.2@2023.15,1718.74
NetIC1_3: IC1.3 R29.2 | length 387.1
  Top Layer w10: R29.2@1651.5,1650 1760,1650 1797.24,1687.24 IC1.3@2023.15,1687.24
NetIC1_4: IC1.4 R31.2 | length 398.9
  Top Layer w10: R31.2@1651.5,1590 1760,1590 1825.75,1655.75 IC1.4@2023.15,1655.75
NetIC1_5: IC1.5 R33.2 | length 410.7
  Top Layer w10: R33.2@1651.5,1530 1750,1530 1844.25,1624.25 IC1.5@2023.15,1624.25
NetIC1_6: IC1.6 R36.2 | length 422.5
  Top Layer w10: R36.2@1651.5,1470 1740,1470 1862.76,1592.76 IC1.6@2023.15,1592.76
NetIC1_7: IC1.7 R38.2 | length 434.3
  Top Layer w10: R38.2@1651.5,1410 1740,1410 1891.26,1561.26 IC1.7@2023.15,1561.26
NetIC1_8: IC1.8 R40.2 | length 446.1
  Top Layer w10: R40.2@1651.5,1350 1740,1350 1919.76,1529.76 IC1.8@2023.15,1529.76
NetIC1_9: IC1.9 R42.2 | length 239.8
  Top Layer w10: R42.2@2060,1241.5 2060,1350 2079.76,1369.76 IC1.9@2079.76,1473.15
NetIC1_11: IC1.11 R45.1 | length 241.1
  Top Layer w10: R45.1@2120,1241.5 2120,1320 2142.76,1342.76 IC1.11@2142.76,1473.15
NetIC1_12: IC1.12 R44.1 | length 234
  Top Layer w10: IC1.12@2174.25,1473.15 2174.25,1442.59 2180,1436.84 R44.1@2180,1241.5
NetIC1_13: IC1.13 R43.1 | length 245.8
  Top Layer w10: IC1.13@2205.75,1473.15 2205.75,1354.25 2240,1320 R43.1@2240,1241.5
NetIC1_14: IC1.14 R41.1 | length 257.6
  Top Layer w10: IC1.14@2237.24,1473.15 2237.24,1372.76 2300,1310 R41.1@2300,1241.5
NetIC1_15: IC1.15 R39.1 | length 269.5
  Top Layer w10: IC1.15@2268.74,1473.15 2268.74,1391.26 2360,1300 R39.1@2360,1241.5
NetIC1_16: IC1.16 R37.1 | length 281.3
  Top Layer w10: IC1.16@2300.24,1473.15 2300.24,1399.76 2420,1280 R37.1@2420,1241.5
NetIC1_17: IC1.17 R35.1 | length 209.8
  Top Layer w10: IC1.17@2356.85,1529.76 2460.24,1529.76 2480,1510 R35.1@2558.5,1510
NetIC1_20: IC1.20 R34.1 | length 224.1
  Top Layer w10: IC1.20@2356.85,1624.25 2415.75,1624.25 2470,1570 R34.1@2558.5,1570
NetIC1_21: IC1.21 R32.1 | length 212.3
  Top Layer w10: IC1.21@2356.85,1655.75 2361.54,1651.06 2428.94,1651.06 2450,1630 R32.1@2558.5,1630
NetIC1_22: IC1.22 R30.1 | length 202.8
  Top Layer w10: IC1.22@2356.85,1687.24 2359.61,1690 R30.1@2558.5,1690
NetIC1_23: IC1.23 R28.1 | length 214.6
  Top Layer w10: IC1.23@2356.85,1718.74 2468.74,1718.74 2500,1750 R28.1@2558.5,1750
NetIC1_24: IC1.24 R26.1 | length 226.4
  Top Layer w10: IC1.24@2356.85,1750.24 2440.24,1750.24 2500,1810 R26.1@2558.5,1810
NetIC1_25: IC1.25 R22.1 | length 223
  Top Layer w10: IC1.25@2300.24,1806.85 2300.24,1850.24 2400,1950 R22.1@2400,1988.5
NetIC1_26: IC1.26 R20.1 | length 211.2
  Top Layer w10: IC1.26@2268.74,1806.85 2268.74,1868.74 2340,1940 R20.1@2340,1988.5
NetIC1_27: IC1.27 R18.1 | length 199.4
  Top Layer w10: IC1.27@2237.24,1806.85 2237.24,1877.24 2280,1920 R18.1@2280,1988.5
NetIC1_30: IC1.30 R17.2 | length 184.7
  Top Layer w10: IC1.30@2142.76,1806.85 2142.76,1981.26 R17.2@2150,1988.5
NetIC1_31: IC1.31 R19.2 | length 190.5
  Top Layer w10: R19.2@2090,1988.5 2090,1910 2111.26,1888.74 IC1.31@2111.26,1806.85
NetIC1_32: IC1.32 R21.2 | length 202.3
  Top Layer w10: R21.2@2030,1988.5 2030,1920 2079.76,1870.24 IC1.32@2079.76,1806.85
NetJ1_1: J1.1 R24.1 | length 318.5
  Top Layer w10: J1.1@5425,3050 R24.1@5425,3368.5
NetJ2_1: J2.1 R23.1 | length 467.9
  Bottom Layer w10: J2.1@4280,3050 4280,3195 4350,3265 4350,3410 4328.5,3431.5 R23.1@4280,3431.5
NetLED1_2: LED1.2 R116.1 | length 662
  Top Layer w10: LED1.2@3220,3406.5 v1(3220,3750)
  Bottom Layer w10: R116.1@3220,3431.5 v1(3220,3750)
NetLED2_2: LED2.2 R117.1 | length 662
  Top Layer w10: LED2.2@3310,3406.5 v1(3310,3750)
  Bottom Layer w10: R117.1@3310,3431.5 v1(3310,3750)
NetLED3_1: LED3.1 R144.2 | length 612
  Top Layer w10: R144.2@3400,2731.5 LED3.1@3400,3343.5
NetLED3_2: LED3.2 R118.1 | length 662
  Top Layer w10: LED3.2@3400,3406.5 v1(3400,3750)
  Bottom Layer w10: R118.1@3400,3431.5 v1(3400,3750)
NetLED4_1: LED4.1 R146.2 | length 612
  Top Layer w10: R146.2@3490,2731.5 LED4.1@3490,3343.5
NetLED4_2: LED4.2 R119.1 | length 662
  Top Layer w10: LED4.2@3490,3406.5 v1(3490,3750)
  Bottom Layer w10: R119.1@3490,3431.5 v1(3490,3750)
NetLED5_2: LED5.2 R120.1 | length 666.2
  Top Layer w10: v1(3580,3750) 3585,3745 LED5.2@3585,3406.5
  Bottom Layer w10: v1(3580,3750) 3585,3745 R120.1@3585,3431.5
NetLED6_2: LED6.2 R121.1 | length 662
  Top Layer w10: LED6.2@3680,3406.5 v1(3680,3750)
  Bottom Layer w10: R121.1@3680,3431.5 v1(3680,3750)
NetLED7_2: LED7.2 R122.1 | length 662
  Top Layer w10: LED7.2@3770,3406.5 v1(3770,3750)
  Bottom Layer w10: R122.1@3770,3431.5 v1(3770,3750)